# Altium PCB pcb.PcbDoc (part 2 of 2)
Units mil, origin at the board's own origin, x right, y up, seen from the top; angles counter-clockwise.
Board outline 3346.46 x 3937.01 mil, 2 copper layers (Top Layer, Bottom Layer), stack 62.179 mil thick; 275 components, 203 nets, 879 pads, 214 vias.
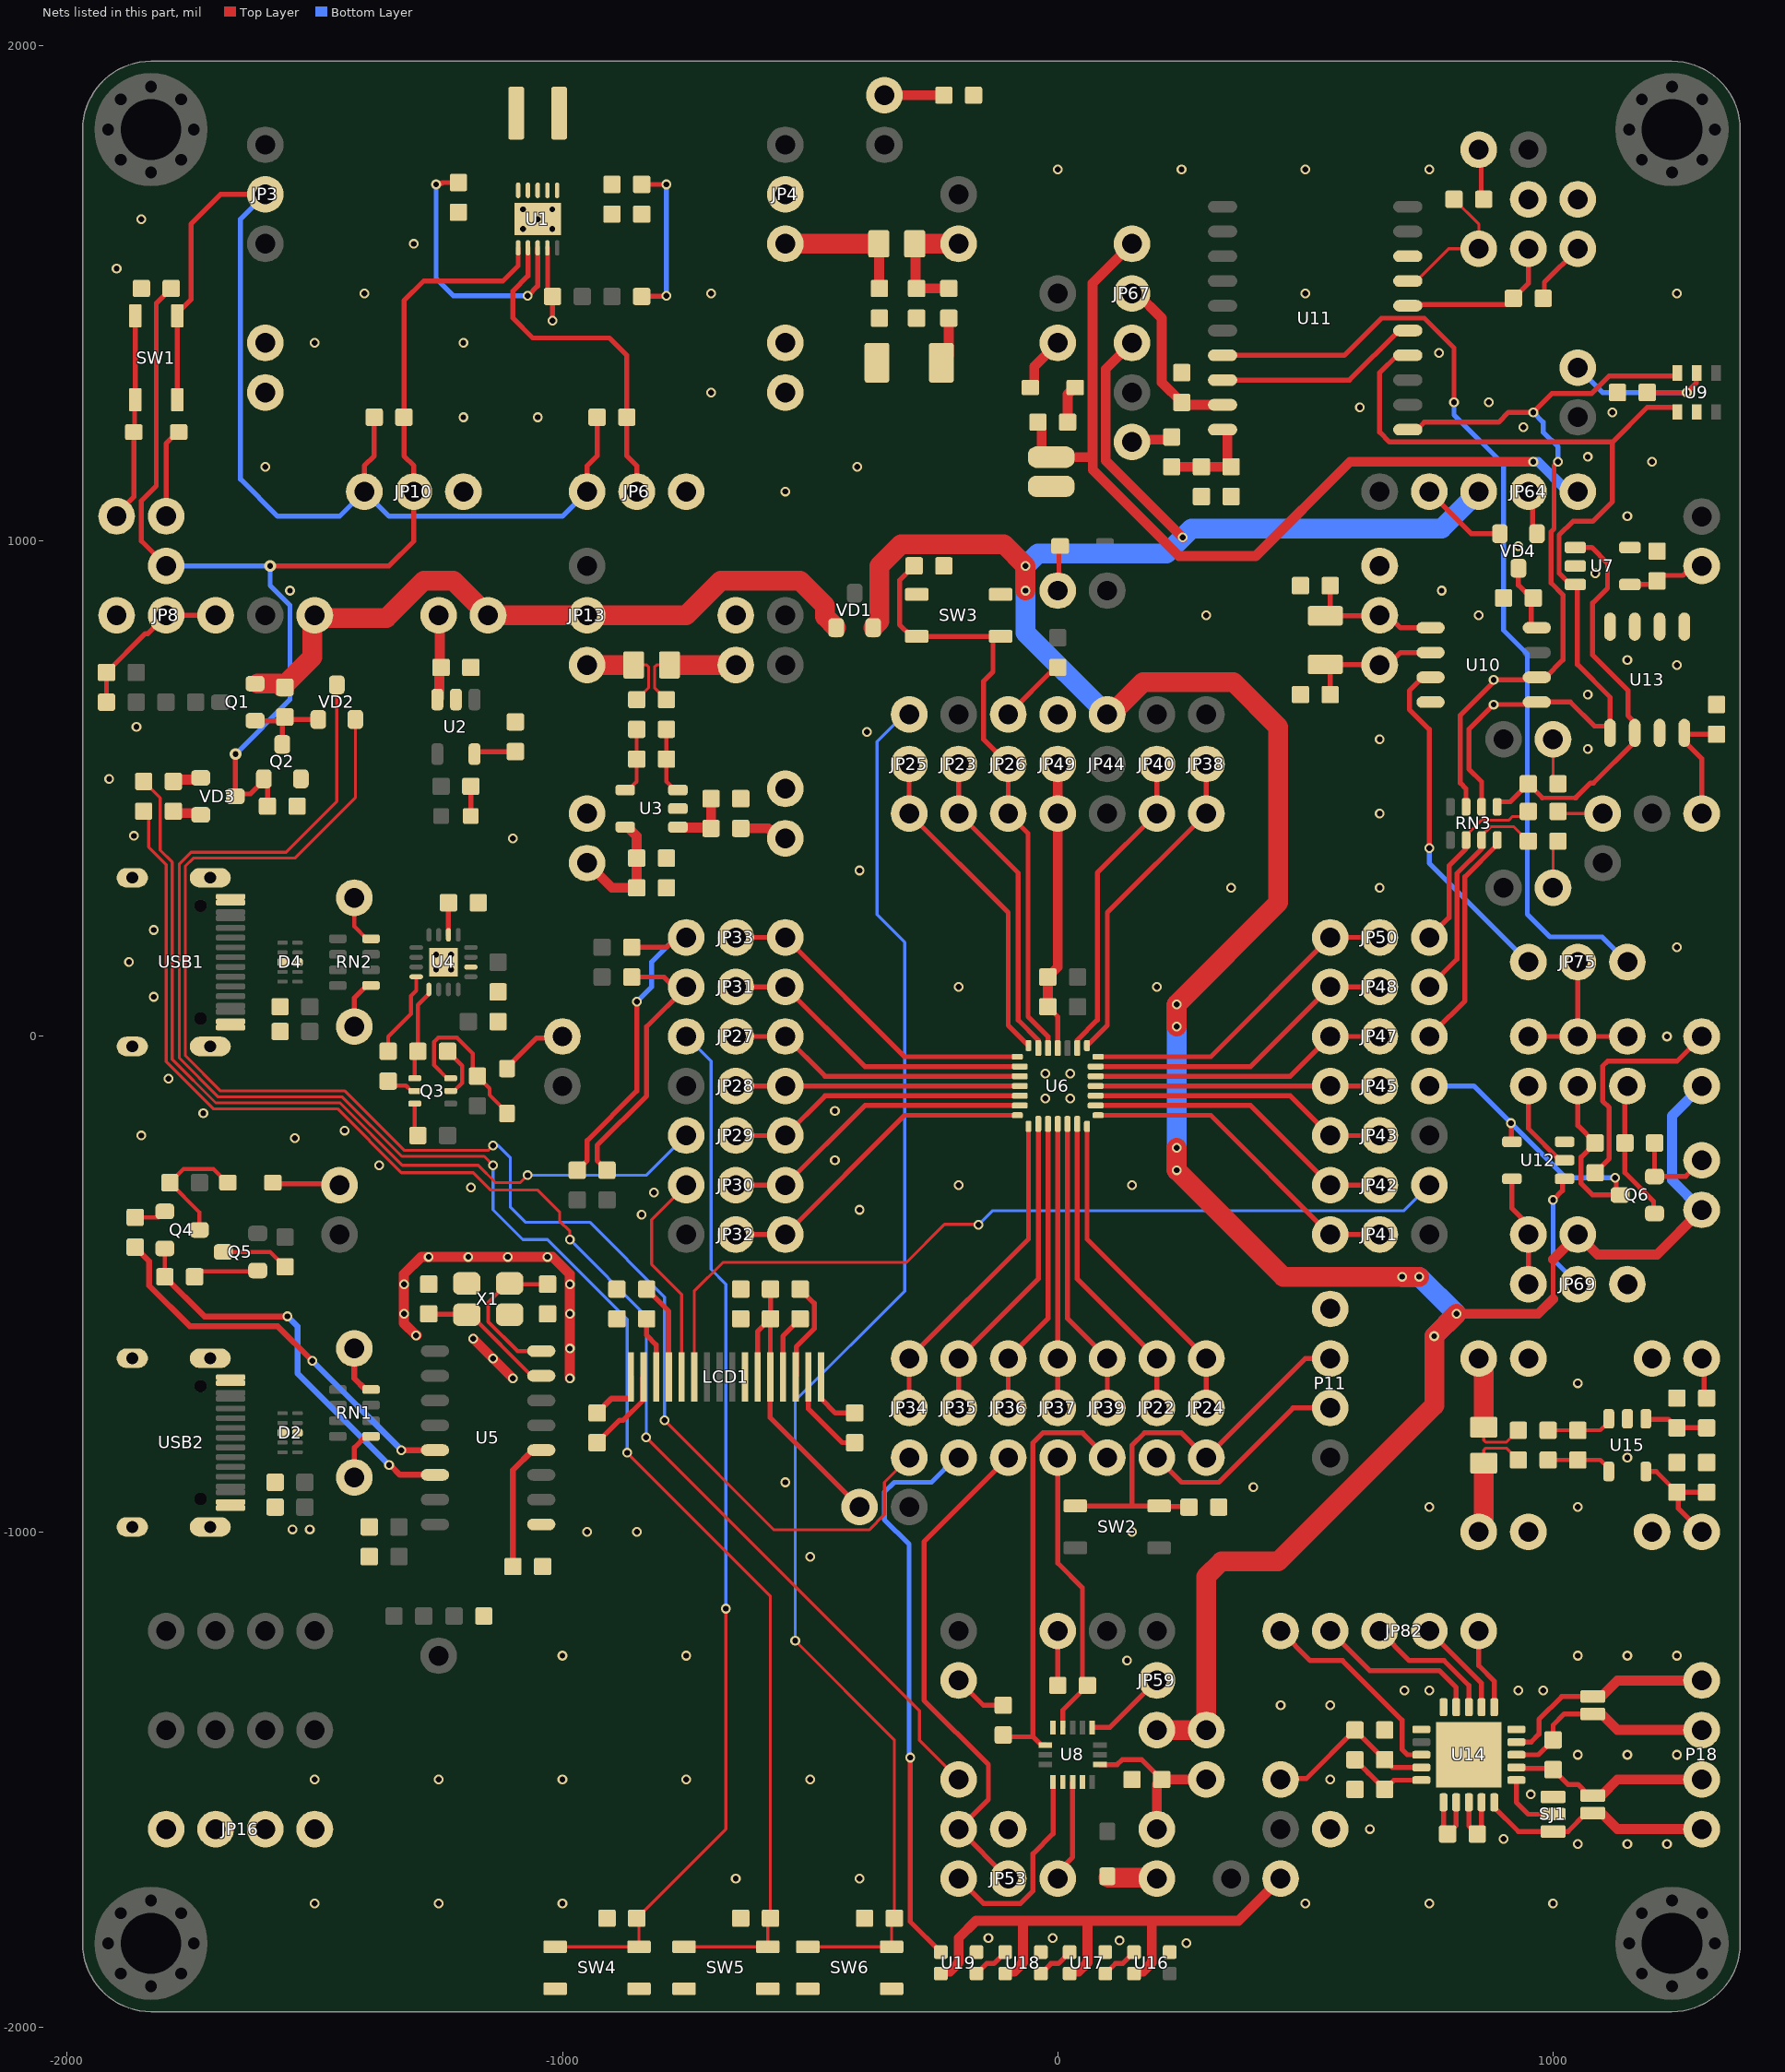
[diagram p2: the nets of this part, all layers, seen from the top]

## Via types
v1: diameter 19.68, hole 11.81, Top Layer to Bottom Layer, tented both sides, 205 vias
v2: diameter 23.62, hole 11.81, Top Layer to Bottom Layer, tented both sides, 9 vias

## Nets (pads, with @x,y where several pads share a name; then routed paths per layer and width w, separated by ;. In a path a pad name is that pad's centre, name@x,y a point inside that pad or via, vN(x,y) a via of type N, cw(c..) or ccw(c..) an arc to the next point about the centre after c; other vN are vias at no path point) (continued)
GND: BAT1.2 C1.2 C2.2 C3.1 C4.2 C5.2 C7.2 C8.2 C9.2 C10.2 C12.2 C13.1 C14.2 C15.1 C16.2 C17.1 C18.1 C19.1 C20.1 C21.2 C22.2 C23.2 C25.2 C27.2 C28.1 C29.2 C30.2 C31.2 C32.2 C33.1 C34.1 C35.2 C36.1 C37.2 C38.2 C39.1 C40.2 C41.1 C42.2 C43.2 C44.2 C45.2 C46.2 C49.2 D2.3 D2.8 D4.3 D4.8 JP6.3 JP7.1 JP7.2 JP8.3 JP10.3 JP11.1 JP11.2 JP12.1 JP16.1 JP16.2 JP16.3 JP16.4 JP20.2 JP21.2 JP49.1 JP49.2 JP49.3 JP69.1 JP76.2 JP77.2 JP81.1 JP83.1 JP84.2 JP85.2 LCD1.7 LCD1.16 P11.1 P14.1 P15.1 P19.1 Q2.2 R1.1 R8.2 R11.1 R13.1 R18.1 R20.1 R23.2 R24.1 R30.2 R31.1 R38.2 R44.1 SJ1.3 SW3.1 SW3.2 SW4.1 SW4.2 SW5.1 SW5.2 SW6.1 SW6.2 U1.3 U1.9 U1.11 U2.2 U3.2 U4.2 U4.17 U5.1 U6.4 U7.2 U7.5 U8.5 U8.10 U8.12 U9.5 U10.4 U11.8 U12.3 U13.1 U13.2 U13.3 U13.4 U13.7 U14.10 U14.15 U14.16 U14.21 U15.2 U16.2 U17.2 U18.2 U19.2 USB1.1 USB1.2 USB1.3 USB1.4 USB1.A1 USB1.A12 USB1.B1 USB1.B12 USB2.1 USB2.2 USB2.3 USB2.4 USB2.A1 USB2.A12 USB2.B1 USB2.B12 X1.2 X1.4 | length 1714.9
  Top Layer w10: U1.9@-1030.31,1591.93 -1029.84,1591.46 -1029.84,1503.64 R8.2@-1019.99,1493.79 v1(-1020,1445) ; C23.2@-20,60 0,40 U6.4@0,-23.5 U6.4@0,-33.5
  Top Layer w12: C31.2@-930,-760 -901.28,-731.28 -862.23,-731.28 -861.93,-730.98 LCD1.16@-861.93,-687.28
  Top Layer w20: v1@-1293.59,-603.31 v1(-1295.67,-603.31) -1320,-578.98 v1(-1320,-560) v1(-1320,-500) -1320,-480 -1285,-445 v1(-1270,-445) v1(-1190,-445) v1(-1110,-445) v1(-1030,-445) -1020,-445 -985,-480 v1(-985,-560) v1(-985,-630) v1(-985,-690) ; v1(-1180,-610) v1(-1140,-650) v1(-1100,-690) ; C23.2@-20,60 C22.2@-20,120 0,140 JP49.3@0,450 JP49.2@0,550
  Bottom Layer w10: JP16.4@-1500,-1609.61 JP16.4@-1500,-1592.37
  other v1: 260,-1830 125,-1825 -140,-1820 -10,-1820 -1500,-1750 -1250,-1750 -1000,-1750 500,-1750 750,-1750 1000,-1750 -650,-1700 -400,-1700 1050,-1630 1150,-1630 1230,-1630 900,-1620 630,-1600 955,-1530 -1500,-1500 -1250,-1500 -1000,-1500 -750,-1500 -500,-1500 550,-1500 1050,-1450 1150,-1450 1250,-1450 450,-1350 550,-1350 700,-1320 750,-1320 930,-1320 980,-1320 140,-1260 -1000,-1250 -750,-1250 1050,-1250 1150,-1250 1250,-1250 -500,-1050 -950,-1000 -850,-1000 150,-1000 -1545,-995 -1510,-995 750,-950 1050,-950 395,-910 -550,-900 1150,-850 1050,-700 -985,-500 -840,-360 -400,-350 -815,-315 -1185,-305 -200,-300 150,-300 -1370,-260 -450,-250 -1540,-205 -1850,-200 -1440,-190 -1725,-155 -450,-150 -25,-125 25,-125 -1795,-85 -25,-75 25,-75 1230,0 -1825,80 -200,100 200,100 -1255,135 -1225,135 -1875,150 -1255,165 -1225,165 1250,180 -1825,215 350,300 650,300 -400,335 -1100,400 -1865,405 650,450 -1915,520 1070,580 650,600 -385,615 -1860,625 1070,690 1250,750 1150,760 300,850 850,850 -1550,900 775,900 1085,935 930,990 1150,1050 -550,1100 -1600,1150 -405,1150 1200,1160 1070,1170 940,1230 -1200,1250 -1050,1250 1120,1260 610,1270 870,1280 -700,1300 770,1380 -1500,1400 -1200,1400 -1400,1500 -700,1500 500,1500 1250,1500 -1900,1550 -1300,1600 -1850,1650 0,1750 250,1750 500,1750 750,1750
  other v2: -1079.53,1630.32 -1020.47,1630.32 -1050,1650 -1079.53,1669.68 -1020.47,1669.68
GPIO_ndef: JP45.3 JP73.2 Q6.3 R48.2 U12.4 | length 840.4
  Top Layer w10: v1(915,-175) 915.93,-175.93 915.93,-211.67 U12.4@916.85,-212.6 ; JP73.2@1050,-100 1050,-180 R48.2@1085,-215 1056.5,-243.5 1056.5,-296.5 1080,-320 Q6.3@1135.16,-320 1127.61,-312.45 1127.61,-287.61 v1(1125,-285)
  Bottom Layer w10: JP45.3@750,-100 840,-100 v1(915,-175) 1025,-285 v1(1125,-285)
I2C1_SCL/SPI2_SCK: JP50.3 R43.2 RN3.2 | length 382.1
  Top Layer w6: RN3.2@824.25,396.54 824.25,405.39 855.61,436.75 910.88,436.75 918.26,444.13 939.88,444.13 R43.2@950,454.25
  Top Layer w10: JP50.3@750,200 790,240 790,344.56 824.25,378.81 RN3.2@824.25,396.54
I2C1_SDA/SPI2_MOSI: JP48.3 R42.2 RN3.3 | length 462.9
  Top Layer w6: RN3.3@855.75,396.54 855.75,405.39 873.61,423.25 921,423.25 R42.2@950,394.25
  Top Layer w10: JP48.3@750,100 806,156 806,329.06 855.75,378.81 RN3.3@855.75,396.54
I2C2_SCL: JP37.3 R41.2 U8.4 | length 590.4
  Top Layer w10: JP37.3@0,-850 0,-1062.99 49.87,-1112.87 49.87,-1150 ; U8.4@10.31,-1394.88 10.31,-1359.69 R41.2@60,-1310 49.87,-1299.88 49.87,-1149.87
I2C2_SDA: JP39.3 R40.2 U8.6 | length 866
  Top Layer w10: R40.2@-110,-1410 -106.3,-1413.7 -50,-1413.7 ; U8.6@-25.12,-1430.32 -33.39,-1430.32 -50,-1413.7 ; JP39.3@100,-850 50,-800 -30,-800 -50,-820 -50,-1413.7
IN-_INA: JP1.1 JP2.2 JP13.2 Q1.2 R6.2 VD1.1 | length 1422.5
  Top Layer w40: Q1.2@-1615.67,712.2 -1572.2,712.2 -1565,705 -1560.71,705 R6.2@-1560.51,704.8 ; R6.2@-1565.51,704.8 -1505,765.31 -1505,845 -1355,845 -1280,920 -1220,920 JP2.2@-1150,850 JP13.2@-950,850 -750,850 -680,920 -520,920 -470,870 -470,847.76 VD1.1@-447.4,825.16
INT: JP14.1 JP36.3 JP53.2 | length 1040.5
  Top Layer w10: JP53.2@-100,-1700 JP14.1@-200,-1600 -140,-1540 -140,-1470 -270,-1340 -270,-1020 JP36.3@-100,-850
INT1: JP53.3 U8.11 | length 207.3
  Top Layer w10: JP53.3@0,-1700 0,-1686.46 30,-1656.46 U8.11@30,-1505.12
INT2: JP53.1 U8.9 | length 417.8
  Top Layer w10: JP53.1@-200,-1700 -150,-1750 -75,-1750 -50,-1725 -50,-1650 -9.37,-1609.37 U8.9@-9.37,-1505.12
INT_PCF2129: JP75.1 U11.17 | length 1969.7
  Top Layer w10: U11.17@332.68,1375 578.54,1375 653.54,1450 740,1450 800,1390 v1(800,1280)
  Bottom Layer w10: v1(800,1280) 800,1255 900,1155 900,820 948,772 948,247 993.88,201.12 1098.88,201.12 JP75.1@1150,150
INT_PCF8563: JP75.3 U10.3 | length 701.4
  Top Layer w10: v1(750,380) 750,620 710,660 710,698.14 736.86,725 U10.3@752.72,725
  Bottom Layer w10: v1(750,380) 750,350 JP75.3@950,150
KEY1: C41.2 JP25.3 SW6.3 SW6.4 | length 2889.5
  Top Layer w6: v1(-530,-1220) -330,-1420 C41.2@-330,-1780 -335.35,-1785.35 SW6.3@-335.35,-1837.68 SW6.4@-504.65,-1837.68
  Bottom Layer w6: v1(-530,-1220) -530,-735 -309.06,-514.06 -309.06,190 -365,245.94 -365,595 -310,650 JP25.3@-300,650
KEY2: C39.2 SW5.3 SW5.4 VD2.3 | length 3730.7
  Top Layer w6: VD2.3@-1455.51,709.65 -1455.51,474.49 -1558,372 -1749.97,372 -1773.28,348.69 -1773.28,-43.69 -1694.97,-122 -1444.06,-122 -1324.06,-242 -1158,-242 v1(-1140,-260) ; v1(-869.18,-840.36) -869.18,-840.82 -580,-1130 C39.2@-580,-1780 -585.35,-1785.35 SW5.3@-585.35,-1837.68 SW5.4@-754.65,-1837.68
  Bottom Layer w6: v1(-1140,-260) -1140,-350 -1080,-410 -1030,-410 -869.18,-570.82 v1(-869.18,-840.36)
KEY3: C36.2 JP27.3 SW4.3 SW4.4 | length 2116.6
  Top Layer w6: SW4.4@-1014.65,-1837.68 SW4.3@-845.35,-1837.68 -845.35,-1784.65 C36.2@-850,-1780 -670,-1600 v1(-670,-1155)
  Bottom Layer w6: JP27.3@-750,0 -700,-50 -700,-470 -670,-500 v1(-670,-1155)
KEY_OK: JP34.3 VD2.2 | length 3109.9
  Top Layer w6: VD2.2@-1418.11,639.96 -1418.11,481.89 -1540,360 -1745,360 -1761.28,343.72 -1761.28,-38.72 -1690,-110 -1439.09,-110 -1319.09,-230 -1150,-230 v1(-1140,-220) ; v1(-793.85,-775) -572.85,-996 -380.95,-996 -350,-965.05 -350,-900 JP34.3@-300,-850
  Bottom Layer w6: v1(-1140,-220) -1130,-220 -1105,-245 -1105,-345 -1075,-375 -945,-375 -793.85,-526.15 v1(-793.85,-775)
LIPO+: C5.1 JP2.1 U2.3 | length 172.9
  Top Layer w20: U2.3@-1252.4,680.12 -1248.7,683.82 -1248.7,741.3 -1247.5,742.5 -1247.5,847.5 JP2.1@-1250,850
N\R\S\T\1: D3.1 P4.1 | length 139.8
  Top Layer w10: D3.1@-1111.81,-64.72 -1111.81,-62.76 -1052,-2.94 -1002.94,-2.94 P4.1@-1000,0
N\R\S\T\2: D5.1 P7.1 | length 136.8
  Top Layer w10: D5.1@-1584.72,-295 -1582.22,-297.5 -1452.5,-297.5 P7.1@-1450,-300
NetC3_2: C3.2 JP4.3 L2.1 | length 279.3
  Top Layer w20: L2.1@-361.26,1600 -360.63,1599.37 -360.63,1510.63 C3.2@-360,1510
  Top Layer w40: JP4.3@-550,1600 L2.1@-361.26,1600
NetC4_1: C4.1 JP5.1 L2.2 R7.2 | length 245.3
  Top Layer w20: L2.2@-288.74,1600 -286.87,1598.13 -286.87,1511.87 C4.1@-285,1510 R7.2@-220,1510
  Top Layer w40: L2.2@-288.74,1600 JP5.1@-200,1600
NetC6_2: C6.2 JP8.1 JP8.2 R9.1 | length 328.2
  Top Layer w10: R9.1@-1920.51,674.8 C6.2@-1920.51,734.8 -1842.08,813.23 -1836.77,813.23 JP8.2@-1800,850 JP8.1@-1700,850
NetC7_1: C7.1 R7.1 | length 96.2
  Top Layer w20: C7.1@-235,1360 -220,1375 R7.1@-220,1450
NetC8_1: C8.1 JP3.2 JP6.1 JP10.1 R3.1 R12.1 SW1.3 SW1.4 U1.5 U1.8 | length 2784.8
  Top Layer w10: SW1.3@-1777.68,1288.31 -1777.68,1451.69 -1777.68,1459.57 -1750,1487.24 -1750,1640 -1690,1700 JP3.2@-1600,1700 ; JP10.1@-1400,1100 -1400,1152 -1380,1172 R12.1@-1380,1250 ; v1(-1255,1720) -1252.39,1722.61 -1243.67,1722.61 -1242.49,1723.79 C8.1@-1209.99,1723.79 ; v1(-1070,1495) -1050,1515 U1.8@-1050,1591.93 ; JP6.1@-950,1100 -950,1152 -930,1172 R3.1@-930,1250
  Bottom Layer w10: JP3.2@-1600,1700 -1650,1650 -1650,1125 -1575,1050 -1450,1050 JP10.1@-1400,1100 -1350,1050 -1000,1050 JP6.1@-950,1100 ; v1(-1255,1720) -1255,1530 -1220,1495 v1(-1070,1495)
NetC11_1: C11.1 R19.1 U3.3 | length 135.8
  Top Layer w8: R19.1@-790,620 C11.1@-790,560 -790,514.39 -773.01,497.4 U3.3@-766.85,497.4
NetC11_2: C11.2 R14.1 U3.4 | length 135.8
  Top Layer w8: U3.4@-873.15,497.4 -866.99,497.4 -850,514.39 C11.2@-850,560 R14.1@-850,620
NetC12_1: C12.1 R21.2 U3.1 | length 127.9
  Top Layer w20: U3.1@-766.85,422.6 -766.02,421.77 -701.77,421.77 R21.2@-700,420 C12.1@-700,480
NetC14_1: C14.1 U4.6 | length 64.9
  Top Layer w10: U4.6@-1230.16,205.12 -1230.08,205.2 -1230.08,269.92 C14.1@-1230,270
NetC16_1: C16.1 U5.4 | length 268.5
  Top Layer w12: C16.1@-1100,-1070 -1100,-875.55 -1059.45,-835 U5.4@-1042.72,-835
NetC19_2: C19.2 U5.8 X1.1 | length 307.3
  Top Layer w8: U5.8@-1042.72,-635 -1090.9,-635 -1150,-575.9 -1150,-536.89 -1111.61,-498.5 X1.1@-1106.69,-498.5 -1105.2,-500 C19.2@-1030,-500
NetC20_2: C20.2 U5.7 X1.3 | length 279.1
  Top Layer w8: X1.3@-1193.31,-561.5 -1185.67,-561.5 -1062.17,-685 U5.7@-1042.72,-685
  Top Layer w10: C20.2@-1270,-560 -1269.25,-560.75 -1194.06,-560.75 X1.3@-1193.31,-561.5
NetC24_1: C24.1 LCD1.1 | length 123.8
  Top Layer w10: LCD1.1@-478.07,-687.28 -478.07,-730.98 -449.05,-760 C24.1@-410,-760
NetC24_2: C24.2 LCD1.2 | length 186.2
  Top Layer w10: LCD1.2@-503.66,-687.28 -503.66,-751.34 -435,-820 C24.2@-410,-820
NetC25_1: C25.1 C28.2 JP56.2 LCD1.5 LCD1.6 | length 642.7
  Top Layer w10: LCD1.6@-606.02,-687.28 -606.02,-596.02 C28.2@-580.22,-570.22 ; C25.1@-580,-510 C28.2@-580,-570 C28.2@-580.22,-570.22 ; JP56.2@-400,-950 -580.43,-769.57 LCD1.5@-580.43,-687.28 -580.22,-687.07 C28.2@-580.22,-570.22
NetC26_1: C26.1 LCD1.3 | length 204.7
  Top Layer w10: LCD1.3@-529.25,-687.28 -527.95,-685.98 -527.95,-626.46 -491.5,-590.01 -491.5,-538.5 C26.1@-520,-510
NetC26_2: C26.2 LCD1.4 | length 131.7
  Top Layer w10: LCD1.4@-554.84,-687.28 -554.84,-604.84 C26.2@-520,-570
NetC27_1: C27.1 JP51.2 U7.4 | length 160.4
  Top Layer w10: U7.4@1155.12,912.28 1202.6,912.28 C27.1@1210,919.69 1221,930.69 1262.6,930.69 1281.6,949.68 JP51.2@1300,949.68
NetC29_1: C29.1 JP55.2 JP57.2 U8.14 | length 339.9
  Top Layer w10: U8.14@85.12,-1469.68 85.43,-1470 120,-1470 130,-1460 170,-1460 C29.1@210,-1500
  Top Layer w20: JP55.2@200,-1600 200,-1510 C29.1@210,-1500 JP57.2@300,-1500
NetC30_1: C30.1 LCD1.14 | length 125.3
  Top Layer w10: C30.1@-830,-570 -830,-603.03 -810.75,-622.28 LCD1.14@-810.75,-687.28
NetC31_1: C31.1 LCD1.15 | length 175.7
  Top Layer w10: C31.1@-930,-820 -884.67,-774.67 -877.46,-774.67 -837.64,-734.85 -837.64,-688.58 LCD1.15@-836.34,-687.28
NetC32_1: C32.1 JP62.2 U9.2 | length 368.4
  Top Layer w10: C32.1@1190,1300 v1(1270,1300) 1288.96,1318.96 1288.96,1338.33 U9.2@1290,1339.37
  Bottom Layer w10: JP62.2@1050,1350 1100,1300 v1(1270,1300)
NetC33_2: C33.2 P12.1 U10.2 X2.1 | length 287.8
  Top Layer w10: X2.1@540,750.79 X2.1@540.39,750.39 ; C33.2@550,690 550,740.79 X2.1@540.39,750.39 ; U10.2@752.72,775 692.32,775 667.32,750 P12.1@650,750 649.61,750.39 X2.1@540.39,750.39
NetC34_2: C34.2 P13.1 U10.1 X2.2 | length 288.3
  Top Layer w10: C34.2@550,910 550,859.21 X2.2@540,849.21 649.21,849.21 P13.1@650,850 667.32,850 692.32,825 U10.1@752.72,825
NetC35_1: C35.1 U10.8 VD4.3 | length 138.8
  Top Layer w10: VD4.3@930,945.16 930,911.02 955.55,885.47 955.55,831.29 961.84,825 U10.8@967.28,825
NetC37_1: C37.1 C38.1 R46.1 U11.20 | length 207
  Top Layer w20: R46.1@230,1150 C37.1@290,1150 C38.1@350,1150 342.5,1157.5 342.5,1223.33 340.83,1225 U11.20@332.68,1225
NetC40_1: C40.1 JP67.2 U11.19 | length 366
  Top Layer w20: JP67.2@150,1500 160.33,1489.67 160.33,1499.67 210,1450 210,1320.32 C40.1@250.32,1280 255.32,1275 U11.19@332.68,1275
NetC42_1: C42.1 JP78.2 U13.8 | length 243.3
  Top Layer w10: JP78.2@1300,450 1300,560.98 1265,595.98 U13.8@1265,612.72 1267.72,610 C42.1@1330,610
NetC43_1: C43.1 JP79.2 L3.2 U14.19 | length 356.8
  Top Layer w10: JP79.2@450,-1500 452,-1498 502,-1498 L3.2@600,-1400 633.36,-1433.36 C43.1@660,-1460 675.59,-1475.59 U14.19@734.03,-1475.59
NetC44_1: C44.1 L3.1 U14.20 | length 166.7
  Top Layer w10: L3.1@600,-1460 626.64,-1486.64 C44.1@660,-1520 678.82,-1501.18 U14.20@734.03,-1501.18
NetC47_1: C47.1 P18.2 SJ2.2 U14.7 | length 411
  Top Layer w10: U14.7@925.96,-1475.59 928.17,-1477.79 997.8,-1477.79 C47.1@1000,-1480 1030,-1510 1050,-1510 1072.38,-1532.38 SJ2.2@1080,-1532.38 SJ2.2@1097.62,-1532.38
  Top Layer w20: SJ2.2@1097.62,-1532.38 1130,-1500 P18.2@1300,-1500
NetC47_2: C47.2 P18.3 SJ3.1 U14.8 | length 439.1
  Top Layer w10: U14.8@925.96,-1450 970,-1450 C47.2@1000,-1420 1000,-1390 1022.38,-1367.62 SJ3.1@1080,-1367.62 SJ3.1@1097.62,-1367.62
  Top Layer w20: SJ3.1@1097.62,-1367.62 1130,-1400 P18.3@1300,-1400
NetC48_1: C48.1 R55.1 U15.3 | length 135.8
  Top Layer w8: R55.1@990,-795 C48.1@1050,-795 1095.61,-795 1112.6,-778.01 U15.3@1112.6,-771.85
NetC48_2: C48.2 R53.1 U15.4 | length 135.8
  Top Layer w8: R53.1@990,-855 C48.2@1050,-855 1095.61,-855 1112.6,-871.99 U15.4@1112.6,-878.15
NetC49_1: C49.1 R56.2 U15.1 | length 130.6
  Top Layer w10: U15.1@1187.4,-771.85 1187.4,-772.63 1232.63,-772.63 C49.1@1250,-790 R56.2@1310,-790
NetD1_1: D1.1 P1.1 SW1.1 SW1.2 | length 417.3
  Top Layer w10: P1.1@-1900,1050 -1900,1054.09 -1865.28,1088.81 D1.1@-1865.28,1220 -1863.8,1221.48 -1863.8,1286.83 -1862.32,1288.31 SW1.2@-1862.32,1451.69
NetD1_2: D1.2 JP9.1 | length 181.6
  Top Layer w10: JP9.1@-1800,1050 -1800,1196.69 -1776.69,1220 D1.2@-1774.72,1220
NetD3_2: D3.2 Q3.6 R22.2 | length 336.3
  Top Layer w8: Q3.6@-1225.59,-84.41 -1232.68,-84.41 -1259.31,-57.78 -1259.31,-10.92 -1250.89,-2.5 -1212.73,-2.5 -1180.94,-34.3 -1180.94,-70.88 R22.2@-1171.81,-80 -1147.11,-104.7 -1147.11,-118.01 -1111.81,-153.31 D3.2@-1111.81,-155.28
NetD5_2: D5.2 Q4.3 R32.2 | length 260
  Top Layer w8: Q4.3@-1733.11,-390.51 -1733.11,-354.65 R32.2@-1792.6,-295.16 -1765.1,-267.66 -1704.59,-267.66 -1677.24,-295 D5.2@-1675.28,-295
NetD6_2: D6.2 JP46.2 | length 105.3
  Top Layer w10: JP46.2@0,890 2.36,892.36 JP46.2@2.36,902.36 ; JP46.2@0,900 JP46.2@2.36,902.36 ; D6.2@4.72,990 2.36,987.64 JP46.2@2.36,902.36
NetD7_2: D7.2 JP55.1 | length 102
  Top Layer w10: D7.2@100,-1695.28 D7.2@102.36,-1697.64 ; JP55.1@197.64,-1697.64 JP55.1@200,-1700
  Top Layer w40: D7.2@102.36,-1697.64 JP55.1@197.64,-1697.64
NetD8_1: D8.1 JP61.2 | length 114
  Top Layer w20: D8.1@-55.28,1310 -53.31,1310 -47.56,1315.75 -47.56,1352.44 JP61.2@0,1400
NetD8_2: D8.2 R45.1 | length 77.5
  Top Layer w20: R45.1@20,1240 20,1296.69 33.31,1310 D8.2@35.28,1310
NetJP6_2: JP6.2 R3.2 U1.7 | length 698.8
  Top Layer w10: U1.7@-1069.68,1591.93 -1069.68,1535.32 -1100,1505 -1100,1450 -1060,1410 -905,1410 -870,1375 R3.2@-870,1250 -870,1172 -850,1152 JP6.2@-850,1100
NetJP9_2: JP9.2 JP10.2 Q2.1 R12.2 R13.2 R18.2 U1.6 VD3.3 | length 2573.2
  Top Layer w10: JP9.2@-1800,950 -1850,1000 -1850,1081.46 -1820,1111.46 -1820,1480 R18.2@-1790,1510 ; VD3.3@-1660.67,484.8 -1660.33,485.14 -1660.33,569.67 v2(-1660,570) ; VD3.3@-1655.83,489.64 -1629.89,489.64 -1602.91,516.61 Q2.1@-1602.91,519.96 -1595.51,512.56 R13.2@-1595.51,464.8 ; v2(-1590,950) -1350,950 -1300,1000 JP10.2@-1300,1100 -1300,1152 -1320,1172 R12.2@-1320,1250 -1320,1485 -1280,1525 -1120,1525 -1089.37,1555.63 U1.6@-1089.37,1591.93
  Bottom Layer w10: JP9.2@-1800,950 -1795,945 -1790,950 v2(-1590,950) -1590,910.52 -1550,870.52 -1550,680 v2(-1660,570)
NetJP13_1: JP13.1 R14.2 R17.1 | length 201.6
  Top Layer w6: R17.1@-856.26,750 -830,750 -826,746 -826,704 R14.2@-850,680
  Top Layer w40: JP13.1@-950,750 R17.1@-856.26,750
NetJP14_2: JP14.2 R15.1 | length 2924
  Top Layer w6: R15.1@-1845.51,454.8 -1835.39,444.68 -1835.39,382.36 -1800,346.97 -1800,-50.91 -1704.91,-146 -1454,-146 -1325,-275 -1180,-275 -1145,-310 -1050,-310 -1005.84,-354.16 -1005.84,-372.51 -985,-393.35 v1(-985,-410) ; v1(-830.81,-809.19) -279.05,-1360.95 -279.05,-1420.95 JP14.2@-200,-1500
  Bottom Layer w6: v1(-985,-410) -830.81,-564.19 v1(-830.81,-809.19)
NetJP18_2: JP18.2 R20.2 | length 120
  Top Layer w20: JP18.2@-350,1900 R20.2@-230,1900
NetJP19_1: JP19.1 R17.2 R19.2 | length 261.6
  Top Layer w6: R19.2@-790,680 -814,704 -814,746 -810,750 R17.2@-783.74,750
  Top Layer w20: JP19.1@-650,750 JP19.1@-650,770
  Top Layer w40: R17.2@-783.74,750 JP19.1@-650,750
NetJP26_1: JP26.1 R39.1 | length 139.4
  Top Layer w10: JP26.1@-100,650 -5,745 R39.1@0,745
NetJP52_1: JP52.1 R40.1 | length 110.7
  Top Layer w10: JP52.1@-200,-1300 -150,-1350 R40.1@-110,-1350
NetJP54_1: JP54.1 R41.1 | length 110
  Top Layer w10: R41.1@0,-1310 JP54.1@0,-1200
NetJP58_1: JP58.1 R42.1 | length 98.4
  Top Layer w6: JP58.1@1000,300 1000,384.25 R42.1@1010,394.25
NetJP59_2: JP59.2 U8.1 | length 169.9
  Top Layer w10: U8.1@69.37,-1394.88 105.12,-1394.88 JP59.2@200,-1300
NetJP60_1: JP60.1 R43.1 | length 91.8
  Top Layer w6: R43.1@1010,454.25 1014.25,450 JP60.1@1100,450
NetJP63_2: JP63.2 VD4.2 | length 177.9
  Top Layer w10: JP63.2@750,1100 835.16,1014.84 VD4.2@892.6,1014.84
NetJP64_2: JP64.2 VD4.1 | length 92.4
  Top Layer w10: JP64.2@950,1100 958.7,1091.3 958.7,1023.54 VD4.1@967.4,1014.84
NetJP65_2: JP65.2 R46.2 | length 84.1
  Top Layer w20: JP65.2@150,1200 155,1205 225,1205 R46.2@230,1210
NetJP66_2: JP66.2 Q6.2 R47.2 | length 176.2
  Top Layer w10: Q6.2@1204.84,-282.6 Q6.2@1204.92,-282.52 ; R47.2@1205,-215 1204.92,-215.08 Q6.2@1204.92,-282.52 ; JP66.2@1300,-250 1267.48,-282.52 Q6.2@1204.92,-282.52
NetJP68_1: JP68.1 R48.1 | length 457.2
  Top Layer w10: R48.1@1085,-275 1113.5,-246.5 1113.5,-143.5 1100,-130 1100,-60 1110,-50 1250,-50 JP68.1@1300,0
NetJP69_2: JP69.2 U12.1 | length 242.9
  Top Layer w10: v1(1000,-330) 1018.96,-311.04 1018.96,-291.59 U12.1@1023.15,-287.4
  Bottom Layer w10: v1(1000,-330) 1000,-450 JP69.2@1050,-500
NetJP69_3: JP69.3 JP72.1 U12.5 | length 226.3
  Top Layer w10: U12.5@916.85,-287.4 916.85,-346.85 950,-380 JP72.1@950,-400 JP69.3@950,-500
NetJP70_2: JP70.2 R49.2 | length 104.1
  Top Layer w10: JP70.2@850,1790 855,1785 855,1695 R49.2@860,1690
NetJP71_1: JP71.1 JP73.1 JP74.1 JP75.2 | length 350
  Top Layer w10: JP74.1@950,0 JP73.1@1050,0 ; JP75.2@1050,150 JP73.1@1050,0 ; JP71.1@1150,0 JP73.1@1050,0
NetJP71_2: JP71.2 Q6.1 R47.1 | length 284.3
  Top Layer w10: JP71.2@1150,-100 1145,-105 R47.1@1145,-215 1145,-275 1203,-333 1203,-355.56 Q6.1@1204.84,-357.4
NetJP74_2: JP74.2 U12.2 | length 205.5
  Top Layer w10: JP74.2@950,-80 950,-185.71 1014.29,-250 U12.2@1023.15,-250
NetJP76_1: JP76.1 R50.2 U11.6 | length 331.9
  Top Layer w10: U11.6@706.69,1475 709.3,1477.61 907.61,1477.61 R50.2@920,1490 950,1520 JP76.1@950,1590
NetJP77_1: JP77.1 R50.1 | length 129
  Top Layer w10: R50.1@980,1490 982.5,1492.5 982.5,1522.5 JP77.1@1050,1590
NetJP80_1: JP80.1 R51.2 | length 94.1
  Top Layer w6: JP80.1@1000,600 1000,520 R51.2@1010,510
NetJP81_2: JP81.2 R53.2 R54.1 | length 250.7
  Top Layer w6: R54.1@860,-861.26 860,-835 864,-831 906,-831 R53.2@930,-855
  Top Layer w40: JP81.2@850,-1000 860,-990 R54.1@860,-861.26
NetJP82_1: JP82.1 U14.11 | length 166.9
  Top Layer w10: JP82.1@850,-1200 850,-1270 881.18,-1301.18 U14.11@881.18,-1354.03
NetJP82_2: JP82.2 U14.12 | length 197.8
  Top Layer w10: JP82.2@750,-1200 855.59,-1305.59 U14.12@855.59,-1354.03
NetJP82_3: JP82.3 U14.13 | length 269.6
  Top Layer w10: JP82.3@650,-1200 710,-1260 780,-1260 830,-1310 U14.13@830,-1354.03
NetJP82_4: JP82.4 U14.14 | length 341.4
  Top Layer w10: JP82.4@550,-1200 630,-1280 770,-1280 804.41,-1314.41 U14.14@804.41,-1354.03
NetJP85_1: JP85.1 R54.2 R55.2 | length 250.7
  Top Layer w6: R54.2@860,-788.74 860,-815 864,-819 906,-819 R55.2@930,-795
  Top Layer w40: JP85.1@850,-650 860,-660 R54.2@860,-788.74
NetJP86_2: JP86.2 U16.4 U17.4 U18.4 U19.4 | length 1184.7
  Top Layer w20: U19.4@-236.02,-1891.65 -232.24,-1887.87 -217.87,-1887.87 -200,-1870 -200,-1820 -165,-1785 -70,-1785 ; U18.4@-106.02,-1891.65 -102.24,-1887.87 -87.87,-1887.87 -70,-1870 -70,-1785 ; U17.4@23.98,-1891.65 27.76,-1887.87 42.13,-1887.87 60,-1870 60,-1785 ; U16.4@153.98,-1891.65 157.76,-1887.87 172.13,-1887.87 190,-1870 190,-1785 ; JP86.2@450,-1700 365,-1785 190,-1785 ; -70,-1785 60,-1785 ; 60,-1785 190,-1785
NetL1_1: L1.1 U1.4
NetL1_2: L1.2 U1.2
NetLCD1_13: LCD1.13 R44.2 | length 195.9
  Top Layer w10: R44.2@-830,-510 -785.16,-554.84 LCD1.13@-785.16,-687.28
NetLED1_2: LED1.2 R5.2 | length 60
  Top Layer w10: LED1.2@-1185,445 R5.2@-1185,505
NetP16_1: P16.1 R49.1 U11.7 | length 290.9
  Top Layer w6: U11.7@706.69,1525 724.41,1525 789.41,1590 P16.1@850,1590 850,1640 R49.1@800,1690
NetP17_1: P17.1 U14.18 | length 422.2
  Top Layer w10: P17.1@450,-1200 510,-1260 575,-1260 695,-1380 695,-1439.14 705.86,-1450 U14.18@734.03,-1450
NetP18_1: P18.1 SJ1.1 SJ2.1 U14.5 | length 478.2
  Top Layer w10: U14.5@881.18,-1545.96 881.18,-1556.29 929.89,-1605 SJ1.1@1000,-1605 1030.12,-1605 1067.5,-1567.62 SJ2.1@1080,-1567.62 SJ2.1@1097.62,-1567.62
  Top Layer w20: SJ2.1@1097.62,-1567.62 1130,-1600 P18.1@1300,-1600
NetP18_4: P18.4 SJ3.2 U14.9 | length 443.1
  Top Layer w10: U14.9@925.96,-1424.41 955.59,-1424.41 971.5,-1408.5 971.5,-1378.5 1017.62,-1332.38 SJ3.2@1080,-1332.38 SJ3.2@1097.62,-1332.38
  Top Layer w20: SJ3.2@1097.62,-1332.38 1130,-1300 P18.4@1300,-1300
NetQ1_1: Q1.1 Q2.3 R6.1 VD2.1 | length 188
  Top Layer w10: Q1.1@-1615.67,637.4 -1567.91,637.4 R6.1@-1560.51,644.8 R6.1@-1555.67,639.96 ; Q2.3@-1565.51,589.65 -1565.51,639.96 R6.1@-1565.51,644.8 ; R6.1@-1560.67,639.96 VD2.1@-1492.91,639.96
NetQ3_1: Q3.1 R25.2 U4.13 | length 191.1
  Top Layer w8: Q3.1@-1298.03,-84.41 -1298.03,-36.22 R25.2@-1291.81,-30 -1291.81,63.74 -1269.53,86.02 U4.13@-1269.53,94.88
NetQ3_2: Q3.2 R27.2 | length 62.1
  Top Layer w8: R27.2@-1351.81,-90 -1342.69,-99.12 -1315.99,-99.12 -1305.12,-110 Q3.2@-1298.03,-110
NetQ3_3: Q3.3 R26.2 | length 67
  Top Layer w8: Q3.3@-1298.03,-135.59 -1298.03,-193.78 R26.2@-1291.81,-200
NetQ3_5: Q3.5 R25.1 | length 105.8
  Top Layer w8: R25.1@-1231.81,-30 -1202.6,-59.21 -1202.6,-94.09 -1218.5,-110 Q3.5@-1225.59,-110
NetQ4_1: Q4.1 R33.1 | length 64.8
  Top Layer w8: R33.1@-1862.6,-365.16 -1814.84,-365.16 Q4.1@-1802.8,-353.11
NetQ4_2: Q4.2 R34.2 U5.14 | length 823.9
  Top Layer w8: Q4.2@-1802.8,-427.91 -1802.8,-484.96 R34.2@-1802.6,-485.16
  Top Layer w12: R34.2@-1802.6,-485.16 -1722.76,-565 v1(-1555,-565) ; v1(-1350,-865) -1347.84,-865 -1327.84,-885 U5.14@-1257.28,-885
  Bottom Layer w12: v1(-1555,-565) -1535,-585 -1535,-680 v1(-1350,-865)
NetQ5_1: Q5.1 R34.1 | length 132.7
  Top Layer w8: R34.1@-1742.6,-485.16 -1731.66,-474.22 -1616.97,-474.22 Q5.1@-1615.16,-472.4
NetQ5_3: Q5.3 R35.1 | length 137.3
  Top Layer w8: Q5.3@-1684.84,-435 -1590,-435 R35.1@-1560,-465
NetR1_2: R1.2 U2.5 | length 84.7
  Top Layer w10: U2.5@-1177.6,569.88 -1172.48,575 R1.2@-1095,575
NetR15_2: R15.2 VD3.2 | length 58.2
  Top Layer w20: R15.2@-1785.51,454.8 -1781.81,451.1 -1734.05,451.1 VD3.2@-1730.35,447.4
NetR16_2: R16.2 VD3.1 | length 58.2
  Top Layer w20: R16.2@-1785.51,514.8 -1781.81,518.5 -1734.06,518.5 VD3.1@-1730.35,522.2
NetR27_1: R27.1 U4.12 | length 174
  Top Layer w8: R27.1@-1351.81,-30 -1351.81,-0.5 -1305.81,45.5 -1305.81,81.82 -1295.12,92.51 U4.12@-1295.12,120.47
NetR33_2: R33.2 U5.13 | length 804
  Top Layer w12: R33.2@-1862.6,-425.16 -1834.13,-453.63 -1834.13,-503.04 -1752.16,-585 -1575,-585 v1(-1505,-655) ; v1(-1325,-835) U5.13@-1257.28,-835
  Bottom Layer w12: v1(-1505,-655) v1(-1325,-835)
NetR52_1: R52.1 U14.3 U14.4 | length 138.7
  Top Layer w10: U14.3@830,-1545.96 830,-1593 R52.1@847,-1610 855.59,-1601.41 U14.4@855.59,-1545.96
NetR52_2: R52.2 U14.1 U14.2 | length 138.7
  Top Layer w10: U14.1@778.82,-1545.96 778.82,-1601.82 R52.2@787,-1610 804.41,-1592.59 U14.2@804.41,-1545.96
NetSJ1_2: SJ1.2 U14.6 | length 128.8
  Top Layer w10: U14.6@925.96,-1501.18 925.96,-1545.96 950,-1570 SJ1.2@1000,-1570
NetU11_5: U11.5 U11.18 | length 415.4
  Top Layer w10: U11.18@332.68,1325 588.98,1325 688.98,1425 U11.5@706.69,1425
NetU16_3: U16.3 U17.1 | length 75.9
  Top Layer w10: U17.1@96.02,-1891.65 116.41,-1871.27 131.05,-1871.27 U16.3@153.98,-1848.35
NetU17_3: U17.3 U18.1 | length 75.9
  Top Layer w10: U18.1@-33.98,-1891.65 -13.59,-1871.27 1.05,-1871.27 U17.3@23.98,-1848.35
NetU18_3: U18.3 U19.1 | length 75.9
  Top Layer w10: U19.1@-163.98,-1891.65 -143.59,-1871.27 -128.95,-1871.27 U18.3@-106.02,-1848.35
OUT_INA1: JP20.1 R21.1 | length 98.3
  Top Layer w20: R21.1@-640,420 -584.61,420 -564.61,400 JP20.1@-550,400
OUT_INA2: JP84.1 R56.1 | length 84.1
  Top Layer w10: JP84.1@1300,-650 1305,-655 1305,-725 R56.1@1310,-730
PA0: JP23.1 JP23.2 U6.6 | length 640
  Top Layer w10: JP23.2@-200,550 JP23.1@-200,450 -80,330 -80,33.24 -39.37,-7.39 U6.6@-39.37,-23.5
PA1: JP25.1 JP25.2 U6.7 | length 668.3
  Top Layer w10: JP25.2@-300,550 JP25.1@-300,450 -100,250 -100,22.44 U6.7@-59.06,-18.5
PA2: JP33.2 JP33.3 U6.8 | length 668.3
  Top Layer w10: JP33.2@-650,200 JP33.3@-550,200 -309.06,-40.94 U6.8@-81.5,-40.94
PA2/TX: JP33.1 R29.2 R37.2 | length 691.1
  Top Layer w10: R29.2@-970,-270 -950,-250 -950,-210 -850,-110 v1(-850,70) ; R37.2@-860,180 -790,180 -770,200 JP33.1@-750,200
  Bottom Layer w10: v1(-850,70) -820,100 -820,150 -770,200 JP33.1@-750,200
PA3: JP31.2 JP31.3 U6.9 | length 640
  Top Layer w10: JP31.2@-650,100 JP31.3@-550,100 -389.37,-60.63 U6.9@-76.5,-60.63
PA3/RX: JP31.1 R28.2 R36.2 | length 571.1
  Top Layer w10: R28.2@-910,-270 -930,-250 -930,-220 -830,-120 -830,20 JP31.1@-750,100 -775,100 -795,120 R36.2@-860,120
PA4: JP27.1 JP27.2 U6.10 | length 606.8
  Top Layer w10: JP27.2@-650,0 JP27.1@-550,0 -469.68,-80.32 U6.10@-76.5,-80.32
PA5: JP28.1 JP28.2 U6.11 | length 573.5
  Top Layer w10: JP28.2@-650,-100 JP28.1@-550,-100 U6.11@-76.5,-100
PA6: JP29.1 JP29.2 U6.12 | length 606.8
  Top Layer w10: JP29.2@-650,-200 JP29.1@-550,-200 -469.68,-119.68 U6.12@-76.5,-119.68
PA7: JP30.1 JP30.2 U6.13 | length 640
  Top Layer w10: JP30.2@-650,-300 JP30.1@-550,-300 -389.37,-139.37 U6.13@-76.5,-139.37
PA8: JP35.1 JP35.2 U6.16 | length 640
  Top Layer w10: JP35.2@-200,-750 JP35.1@-200,-650 -39.37,-489.37 U6.16@-39.37,-176.5
PA11: JP37.1 JP37.2 U6.18 | length 573.5
  Top Layer w10: JP37.2@0,-750 JP37.1@0,-650 U6.18@0,-176.5
PA12: JP39.1 JP39.2 U6.19 | length 606.8
  Top Layer w10: U6.19@19.68,-176.5 19.68,-569.68 JP39.1@100,-650 JP39.2@100,-750
PA13: JP22.2 JP22.3 U6.20 | length 640
  Top Layer w10: U6.20@39.37,-176.5 39.37,-489.37 JP22.3@200,-650 JP22.2@200,-750
PA14: JP24.2 JP24.3 U6.21 | length 668.3
  Top Layer w10: U6.21@59.06,-181.5 59.06,-409.06 JP24.3@300,-650 JP24.2@300,-750
PA15: JP41.1 JP41.2 U6.22 | length 668.3
  Top Layer w10: U6.22@81.5,-159.06 309.06,-159.06 JP41.1@550,-400 JP41.2@650,-400
PB0: JP32.1 JP32.2 U6.14 | length 668.3
  Top Layer w10: JP32.2@-650,-400 JP32.1@-550,-400 -309.06,-159.06 U6.14@-81.5,-159.06
PB1: JP34.1 JP34.2 U6.15 | length 668.3
  Top Layer w10: JP34.2@-300,-750 JP34.1@-300,-650 -59.06,-409.06 U6.15@-59.06,-181.5
PB3: JP42.1 JP42.2 U6.23 | length 640
  Top Layer w10: U6.23@76.5,-139.37 389.37,-139.37 JP42.1@550,-300 JP42.2@650,-300
PB4: JP43.1 JP43.2 U6.24 | length 606.8
  Top Layer w10: U6.24@76.5,-119.68 469.68,-119.68 JP43.1@550,-200 JP43.2@650,-200
PB5: JP45.1 JP45.2 U6.25 | length 573.5
  Top Layer w10: U6.25@76.5,-100 JP45.1@550,-100 JP45.2@650,-100
PB6: JP47.1 JP47.2 U6.26 | length 606.8
  Top Layer w10: U6.26@76.5,-80.32 469.68,-80.32 JP47.1@550,0 JP47.2@650,0
PB6/MISO2: R51.1 RN3.5 U7.1 U13.6 | length 844.3
  Top Layer w8: 978.25,481.75 1044,481.75
  Top Layer w10: RN3.5@887.24,463.46 887.24,468 892.99,473.75 913.75,473.75 R51.1@950,510 978.25,481.75 ; 1044,481.75 1046,481.75 1075.75,511.5 1081.5,511.5 1165,595 U13.6@1165,612.72 1165,633.89 1151.22,647.67 1151.22,698.78 1080,770 1080,875 1110,905 1110,955 1077.91,987.09 U7.1@1044.88,987.09
PB7: JP48.1 JP48.2 U6.27 | length 640
  Top Layer w10: U6.27@76.5,-60.63 389.37,-60.63 JP48.1@550,100 JP48.2@650,100
PB8: JP50.1 JP50.2 U6.28 | length 668.3
  Top Layer w10: U6.28@81.5,-40.94 309.06,-40.94 JP50.1@550,200 JP50.2@650,200
PC6: JP36.1 JP36.2 U6.17 | length 606.8
  Top Layer w10: JP36.2@-100,-750 JP36.1@-100,-650 -19.68,-569.68 U6.17@-19.68,-176.5
PC14: JP38.2 JP38.3 U6.1 | length 668.3
  Top Layer w10: U6.1@59.06,-18.5 100,22.44 100,250 JP38.3@300,450 JP38.2@300,550
PC15: JP40.2 JP40.3 U6.2 | length 640
  Top Layer w10: U6.2@39.37,-23.5 39.37,-7.39 80,33.24 80,330 JP40.3@200,450 JP40.2@200,550
PF2/N\R\S\T\: C21.1 JP26.2 JP26.3 SW3.3 SW3.4 U6.5 | length 1240.8
  Top Layer w10: C21.1@-290,950 -319.27,920.73 -319.27,831.47 -295.47,807.68 SW3.3@-284.65,807.68 SW3.4@-122.98,807.68 ; SW3.4@-115.35,807.68 SW3.4@-122.98,807.68 ; U6.5@-19.68,-23.5 -19.68,-0.32 -60,40 -60,410 JP26.3@-100,450 JP26.2@-100,550 -150,600 -150,716.93 -130.78,736.15 -130.78,799.88 SW3.4@-122.98,807.68
PW_HOLD: JP29.3 R16.1 | length 1765.1
  Top Layer w6: R16.1@-1845.51,514.8 -1812.01,481.3 -1812.01,375.95 -1788,351.94 -1788,-45.94 -1699.94,-134 -1449.03,-134 -1323.03,-260 -1170,-260 -1135,-295 -1085,-295 v1(-1070,-280)
  Bottom Layer w6: v1(-1070,-280) -830,-280 JP29.3@-750,-200
SCL1/SCK2: RN3.7 U9.3 U10.6 U11.1 | length 1573.5
  Top Layer w10: U11.1@706.69,1225 725,1225 740,1240 890,1240 910,1260 v1(960,1260) 998,1298 1078,1298 1113.46,1333.46 1250.63,1333.46 U9.3@1250.63,1339.37 ; RN3.7@824.25,463.46 824.25,500 812.61,511.64 812.61,648.48 880,715.86 v1(880,720) 961.8,720 962.04,719.76 U10.6@964.78,722.5 ; U10.6@967.28,725 985,725 1020,760 1020,891.6 996.23,915.38 996.23,1018.86 1002,1024.63 1002,1152 v1(1010,1160)
  Bottom Layer w10: v1(960,1260) 980,1240 980,1220 1010,1190 v1(1010,1160)
SDA1/MOSI2: RN3.6 U7.3 U9.4 U10.5 U11.4 U13.5 | length 2037.6
  Top Layer w10: U11.4@706.69,1375 685,1375 650,1340 650,1220 670,1200 1120,1200 ; RN3.6@855.75,463.46 855.75,514.25 830,540 830,620 v1(880,670) 962.28,670 U10.5@967.28,675 1035,675 1083.55,626.45 1106.86,626.45 U13.5@1115,618.31 ; U13.5@1115,612.72 U13.5@1115,618.31 ; U9.4@1250.63,1260.63 1241.26,1270 1190,1270 1120,1200 ; U13.5@1115,618.31 1115,685 1049.04,750.96 1049.04,912.28 U7.3@1044.88,912.28 1035.04,912.28 1012.23,935.09 1012.23,1012.23 1040,1040 1080,1040 1120,1080 1120,1200
SPI1_MOSI: JP30.3 LCD1.12 | length 441.3
  Top Layer w6: LCD1.12@-759.57,-687.28 -759.57,-520.43 -820,-460 -820,-370 JP30.3@-750,-300
SPI1_SCK: JP42.3 LCD1.11 | length 1746.6
  Top Layer w6: LCD1.11@-733.98,-687.28 -733.98,-513.98 -676,-456 -305.43,-456 -228.62,-379.19 -160.81,-379.19 v1(-160,-380)
  Bottom Layer w6: v1(-160,-380) -132,-352 698,-352 JP42.3@750,-300
SPI2_MISO: JP47.3 RN3.4 | length 464.4
  Top Layer w10: JP47.3@750,0 JP47.3@761.05,11.05 ; JP47.3@761.05,0 JP47.3@761.05,11.05 ; RN3.4@887.24,396.54 887.24,387.68 822,322.43 822,72 JP47.3@761.05,11.05
SPI2_NSS: JP35.3 U19.3 | length 1154.6
  Top Layer w10: v1(-297.89,-1455.61) -297.89,-1786.48 U19.3@-236.02,-1848.35
  Bottom Layer w10: v1(-297.89,-1455.61) -300,-1453.5 -300,-1025 -350,-975 -350,-920 -330,-900 -255,-900 -205,-850 JP35.3@-200,-850
SWCLK1: P8.1 RN2.4 | length 101.8
  Top Layer w8: P8.1@-1420,280 -1420,221.85 -1395.39,197.24 RN2.4@-1386.54,197.24
SWCLK2: P6.1 RN1.1 | length 107.9
  Top Layer w10: P6.1@-1420,-895 P6.1@-1420,-890 -1420,-830 -1397.24,-807.24 RN1.1@-1386.54,-807.24
SWCLK/BOOT0: JP24.1 P11.2 R38.1 SW2.1 SW2.2 | length 867.2
  Top Layer w10: SW2.1@35.35,-947.68 150,-947.68 ; R38.1@265,-950 263.84,-948.84 205.81,-948.84 SW2.2@204.65,-947.68 150,-947.68 ; P11.2@550,-650 500,-650 JP24.1@300,-850 250,-800 175,-800 150,-825 150,-947.68
SWDIO: JP22.1 P11.3 | length 432.8
  Top Layer w10: JP22.1@200,-850 250,-900 325,-900 475,-750 P11.3@550,-750
SWDIO/BOOT01: P9.1 RN2.1 | length 101.8
  Top Layer w10: P9.1@-1420,20 -1420,78.15 -1395.39,102.76 RN2.1@-1386.54,102.76
SWDIO/BOOT02: P5.1 RN1.4 | length 102.9
  Top Layer w12: P5.1@-1420,-630 -1420,-690 -1397.24,-712.76 RN1.4@-1386.54,-712.76
TPS_VOUT: C1.1 C2.1 JP4.2 R4.2 U1.1 | length 325.5
  Top Layer w10: R4.2@-839.99,1493.79 -839.39,1494.39 -790.61,1494.39 v1(-790,1495) ; C2.1@-840,1720 v1(-790,1720)
  Bottom Layer w10: v1(-790,1495) v1(-790,1720)
Vbat_button: BAT1.1 JP64.3 JP67.3 R45.2 | length 1813.8
  Top Layer w20: R45.2@-40,1240 -32.5,1232.5 -32.5,1180.62 -21.4,1169.53 BAT1.1@-13.15,1169.53 70.47,1169.53 ; JP67.3@150,1600 70.47,1520.47 70.47,1169.53 ; v1(960,1160) 590,1160 400,970 245,970 71,1144 71,1169 70.47,1169.53
  Bottom Layer w20: v1(960,1160) 970,1160 1030,1100 JP64.3@1050,1100
VbatWeek: JP44.1 JP57.1 JP59.3 JP64.1 JP66.1 JP67.1 JP68.2 JP72.2 VD1.2 | length 6777
  Top Layer w10: 1000,-530 1000,-450
  Top Layer w20: JP67.1@150,1400 97,1347 97,1162.38 v1(252.19,1007.19) ; JP59.3@199.68,-1400.31 JP59.3@200,-1400 ; v1(805,-560) 970,-560 1000,-530 ; 1000,-450 JP72.2@1050,-400 1090,-440 1210,-440 JP66.1@1300,-350
  Top Layer w40: VD1.2@-372.6,825.16 -360,837.76 -360,949.72 -316.22,993.5 -108.5,993.5 v1(-65,950) v1(-65,900) ; JP44.1@100,650 107.18,650 172.18,715 355,715 445,625 445,270 v1(240,65) v1(240,20) ; JP59.3@200,-1400 JP57.1@300,-1400 300,-1090 330,-1060 445,-1060 760,-745 v1(760,-605) v1(805,-560) ; v1(240,-225) v1(240,-270) 455,-485 v1(730,-485)
  Bottom Layer w20: JP66.1@1300,-350 1240,-290 1240,-160 JP68.2@1300,-100
  Bottom Layer w40: JP44.1@100,650 -65,815 v1(-65,900) v1(-65,950) -40,975 220,975 v1(252.19,1007.19) 270,1025 775,1025 JP64.1@850,1100 ; v1(240,-270) v1(240,-225) v1(240,20) v1(240,65) ; v1(695,-485) v1(730,-485) v1(805,-560) v1(760,-605)
VDD_INA1: C9.1 C10.1 JP12.2 U3.5 | length 255.8
  Top Layer w20: JP12.2@-950,350 -900,300 C9.1@-850,300 C10.1@-850,360 -850,404.44 -868.16,422.6 U3.5@-873.15,422.6
VDD_INA2: C45.1 C46.1 JP83.2 U15.5 | length 239.2
  Top Layer w10: U15.5@1187.4,-878.15 1208.15,-878.15 C45.1@1250,-920 C45.1@1252.5,-922.5 ; JP83.2@1300,-1000 1252.5,-952.5 C45.1@1252.5,-922.5 ; C46.1@1310,-920 1255,-920 C45.1@1252.5,-922.5
pads on no net: JP38.1 JP40.1 RN3.1 RN3.8 SUN_HOLE1.1 SUN_HOLE1.1_1 SUN_HOLE1.1_2 SUN_HOLE1.1_3 SUN_HOLE1.1_4 SUN_HOLE1.1_5 SUN_HOLE1.1_6 SUN_HOLE1.1_7 SUN_HOLE1.1_8 SUN_HOLE2.1 SUN_HOLE2.1_1 SUN_HOLE2.1_2 SUN_HOLE2.1_3 SUN_HOLE2.1_4 SUN_HOLE2.1_5 SUN_HOLE2.1_6 SUN_HOLE2.1_7 SUN_HOLE2.1_8 SUN_HOLE3.1 SUN_HOLE3.1_1 SUN_HOLE3.1_2 SUN_HOLE3.1_3 SUN_HOLE3.1_4 SUN_HOLE3.1_5 SUN_HOLE3.1_6 SUN_HOLE3.1_7 SUN_HOLE3.1_8 SUN_HOLE4.1 SUN_HOLE4.1_1 SUN_HOLE4.1_2 SUN_HOLE4.1_3 SUN_HOLE4.1_4 SUN_HOLE4.1_5 SUN_HOLE4.1_6 SUN_HOLE4.1_7 SUN_HOLE4.1_8 U4.10 U4.11 U4.14 U4.15 U4.16 U5.9 U5.10 U5.11 U5.12 U5.15 U8.2 U8.3 U8.7 U8.8 U8.13 U8.15 U8.16 U9.1 U9.6 U10.7 U11.2 U11.3 U11.9 U11.10 U11.11 U11.12 U11.13 U11.14 U11.15 U11.16 U14.17 U16.1 USB1.0 USB1.0_1 USB1.A8 USB1.B8 USB2.0 USB2.0_1 USB2.A8 USB2.B8 VD1.3

## Polygon pours and split planes (outlines as drawn)
GND on Bottom Layer "vcc-2" (solid, remove dead copper, pour order 18): 1417.32,2007.87 1417.32,-2007.87 -2007.87,-2007.87 -2007.87,2007.87
no net on Bottom Layer "vcc-2" (solid, remove dead copper, pour order 4): -1065,1725
no net on Bottom Layer "vcc-2" (solid, remove dead copper, pour order 2): -1050,1708.07
GND on Top Layer "vcc-2" (solid, remove dead copper, pour order 20): 1417.32,2007.87 1417.32,-2007.87 -2007.87,-2007.87 -2007.87,2007.87
no net on Top Layer "vcc-2" (solid, remove dead copper, pour order 16): -1968.5,2007.87
no net on Top Layer "vcc-2" (solid, remove dead copper, pour order 14): -1968.5,1968.5
TPS_VOUT on Top Layer "vcc-2" (solid, remove dead copper, pour order 12): -1035,1690 -1035,1750 -500,1750 -500,1650 -725,1650 -765,1690
NetC8_1 on Top Layer "vcc-2" (solid, remove dead copper, pour order 10): -1650,1750 -1065,1750 -1065,1690 -1260,1690 -1300,1650 -1650,1650
NetL1_2 on Top Layer "vcc-2" (solid, remove dead copper, pour order 6): -1030,1680 -1020,1690 -1020,1750 -965,1805 -965,1925 -1040,1925 -1045,1920 -1045,1695 -1040,1690
NetL1_1 on Top Layer "vcc-2" (solid, remove dead copper, pour order 0): -1070,1680 -1080,1690 -1080,1750 -1135,1805 -1135,1925 -1060,1925 -1055,1920 -1055,1695 -1060,1690

## Silkscreen, mask and mechanical layers (free items; w line width, h text height)
Top Overlay:
  lines w6: -1850,-1730 -1850,-1550 -1450,-1550 -1450,-1730 -1850,-1730 ; -1850,-1530 -1850,-1350 -1450,-1350 -1450,-1530 -1850,-1530 ; -1850,-1330 -1450,-1330 -1450,-1150 -1850,-1150 -1850,-1330 ; -1675,1025 -475,1025 -475,1950 -1675,1950 -1675,1025 ; -1370,-1380 -1370,-1140 -1130,-1140 -1130,-1380 -1370,-1380 ; 400,-1650 400,-1150 1350,-1150 1350,-1650 400,-1650 ; 800,-1050 800,-600 1350,-600 1350,-1050 800,-1050
  text "TPS63000" at -1535,1845 h100
  text "5V" at -1540,1770 h38
  text "3V3" at -770,1770 h38
  text "PCF2129AT" at 100,1765 h100
  text "VIN" at -1540,1670 h38
  text "VOUT" at -770,1670 h38
  text "3V3" at -135,1670 h38
  text "PI-IN" at -800,1570 h38
  text "PI-OUT" at -135,1570 h38
  text "4V2" at -1540,1560 h38
  text "AHT20" at 1105,1170 h90
  text "VIN EN GND" at -1490,1160 h38
  text "VIN SYNC GND" at -1070,1160 h38
  text "BAT-" at -750,910 h38
  text "BAT+" at -590,910 h38
  text "NRST" at -310,710 h90
  text "INAx180Ax" at -755,635 h80
  text "PCF8563" at 565,515 h80
  text "24CXX" at 1140,505 h80
  text "TP4054" at -1290,475 h80 r90
  text "CH343P" at -1555,340 h80
  text "PA2" at -490,170 h38
  text "PB8" at 320,170 h38
  text "G031G8U6" at -65,145 h100
  text "PA3" at -490,70 h38
  text "PB7" at 315,70 h38
  text "PA1" at -270,65 h38 r90
  text "PA0" at -170,65 h38 r90
  text "PF2-NRST" at -70,65 h38 r90
  text "VSS*" at 30,65 h38 r90
  text "VDD*" at 130,65 h38 r90
  text "PC15" at 230,65 h38 r90
  text "PC14" at 330,65 h38 r90
  text "PA4" at -490,-30 h38
  text "PB6" at 315,-30 h38
  text "PA5" at -490,-130 h38
  text "PB5" at 315,-130 h38
  text "PA6" at -490,-230 h38
  text "PB4" at 315,-230 h38
  text "PA7" at -490,-330 h38
  text "PB3" at 315,-330 h38
  text "CH340G" at -1335,-390 h80
  text "PB0" at -490,-430 h38
  text "(PA10)" at 135,-430 h38 r90
  text "PA15" at 315,-430 h38
  text "(PA9)" at 35,-435 h38 r90
  text "PB1" at -265,-585 h38 r90
  text "PA8" at -165,-585 h38 r90
  text "PC6" at -65,-585 h38 r90
  text "PA11" at 35,-585 h38 r90
  text "PA12" at 135,-585 h38 r90
  text "PA13" at 235,-585 h38 r90
  text "PA14-BOOT0" at 335,-585 h38 r90
  text "GND" at 329.21,-594.88 h38
  text "SCK" at 329.21,-694.88 h38
  text "IN+" at 800,-760 h38
  text "DIO" at 329.21,-794.88 h38
  text "3V3" at 329.21,-894.88 h38
  text "IN-" at 800,-950 h38
  text "LIS3DH" at -340,-1080 h100
  text "BOOT0" at -10,-1130 h90
  text "MAX31865" at 910,-1230 h100
  text "5V" at -1690,-1320 h38
  text "F-" at 1130,-1380 h38
  text "3V3" at -1710,-1520 h38
  text "F+" at 1130,-1580 h38
  text "Ref" at 650,-1640 h38
  text "GND" at -1710,-1720 h38
  text "SAU-G0-EVM" at 310,-1880 h150
  text "v1.0" at -1710,-1940 h38
  text "OldGerman   2022/06" at 300,-1940 h38
Bottom Overlay:
  text "SAU-G0-EVM" at 1020,-1880 h150
  text "v1.0" at -1550,-1940 h38
  text "OldGerman   2022/06" at 1025,-1940 h38
Top Solder:
  the board outline again, w20
Bottom Solder:
  the board outline again, w20
Mechanical 1:
  the board outline again, w5.98

## Text inside footprints (layer, text, board x,y; h text height)
LCD1: Top Overlay "64x48" at -425,-1617.4 h38 r180; Top Overlay "1" at -470.17,-746.97 h38 r180; Top Overlay "16" at -829.45,-749.3 h38 r180
U6: Mechanical 13 "*" at 43.9,-27 h38 r270